# Altium PCB PCB1.PcbDoc (continued)
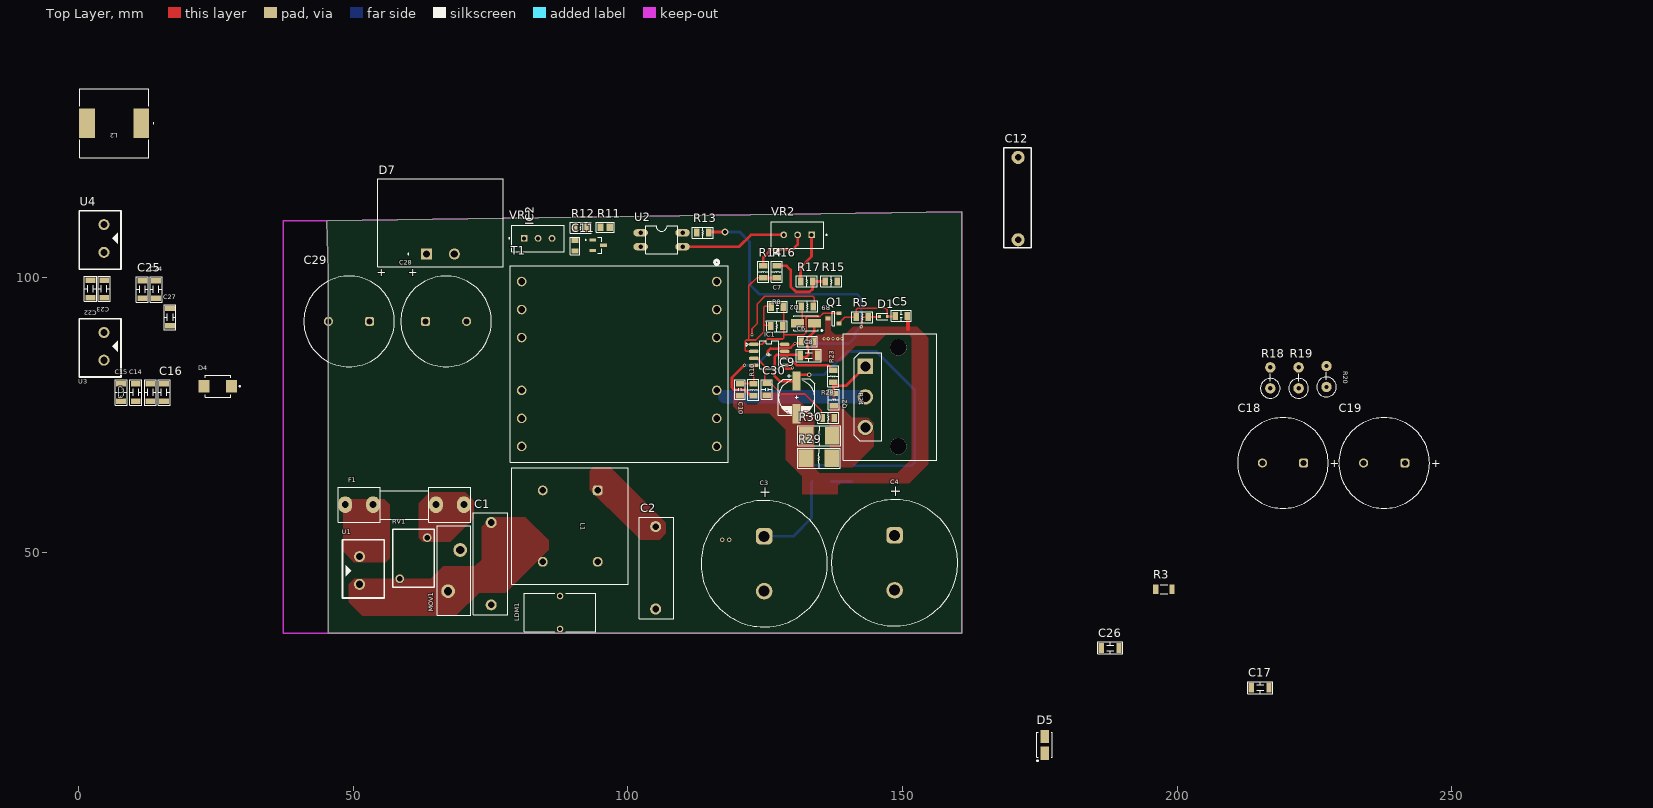
[diagram p0: Top Layer view]
## Part data (continued)
D1: library part "Diode 30V 1A", "Diode 30 V 1A Surface Mount SOD-523", Average Rectified Current=1A, Forward Voltage=680mV, Manufacturer 1=Nexperia, Max Forward Surge Current (Ifsm)=5A, Max Operating Temperature=150°C, Max Repetitive Reverse Voltage (Vrrm)=30V, Max Reverse Current=500uA, Max Surge Current=3A, Min Operating Temperature=-65°C, Supplier Part Number 1=1727-5834-1-ND, Category 1="Rectifier Diodes", ComponentLink1Description=https://datasheet.octopart.com/BZX585-C9V1%2C135-Nexperia-datasheet-81456219.pdf?src-supplier=Future+Electronics, ComponentLink1URL=https://datasheet.octopart.com/BZX585-C9V1%2C135-Nexperia-datasheet-81456219.pdf?src-supplier=Future+Electronics, ComponentLink2Description=https://assets.nexperia.com/documents/packing/SOD523_115.pdf?src-supplier=Digikey, ComponentLink2URL=https://assets.nexperia.com/documents/packing/SOD523_115.pdf?src-supplier=Digikey, ComponentLink3Description=https://datasheet.octopart.com/PMEG3010EB%2C115-Nexperia-datasheet-12552804.pdf?src-supplier=Farnell, ComponentLink3URL=https://datasheet.octopart.com/PMEG3010EB%2C115-Nexperia-datasheet-12552804.pdf?src-supplier=Farnell, Description 1="Rectifier Diode, Schottky, 1 Phase, 1 Element, 1A, Silicon", Element Configuration=5460ElementConfiguration, Forward Current=1A, Lead Free=5697LeadFree, Manufacturer Part Number 1=PMEG3010EB,115, Max Reverse Leakage Current=500uA, Max Reverse Voltage (DC)=30V, Mount=8Mount, Number of Pins=2NUMBER, Peak Non-Repetitive Surge Current=5A, Pricing 1="1=0,46, 10=0,326, 100=0,1644, 500=0,14572, 1000=0,11341, 3000=0,1015, 6000=0,09923, 9000=0,08789, 30000=0,08676, 75000=0,07371 (USD)", Radiation Hardening=5898YesNo, Reach SVHC Compliant=4186SVHC, RoHS 1=Yes, RoHS Compliant=Yes, Stock 1=7761, Supplier 1=Digikey
D2: library part RS1M, "Rectifiers 1000V 1a Fast Rect SMa", Forward Current="1 A", Forward Voltage="1.3 V", LCSC Part #=N/A, Manufacturer=onsemi, Max Surge Current="30 A", Operating Temperature Max="+ 85 C", Operating Temperature Min="- 40 C", Package / Case=DO-214AC, Peak Reverse Voltage="1 kV", Power Dissipation="1.19 W", Reverse Current="5 uA", Supplier 1 Part Number=512-RS1M, Supplier 2 Part Number=RS1MFSTR-ND, Supplier 3 Part Number="FR107 RS1M", ComponentLink1Description=Datasheet, ComponentLink1URL=https://www.mouser.vn/datasheet/2/308/1/RS1M_D-2320127.pdf, Manufacturer Part Number=RS1M, Maximum Diode Capacitance=N/A, Mount=SMD/SMT, Packaging="Tape and Reel", Recovery Time="500 ns", Supplier 1=Mouser, Supplier 1 URL=https://www.mouser.vn/ProductDetail/onsemi-Fairchild/RS1M?qs=e%2FRqmsgwm9icSRWI%2F467wA%3D%3D, Supplier 2=Digi-Key, Supplier 2 URL=https://www.digikey.com/en/products/detail/onsemi/rs1m/1048919, Supplier 3=thegioiic, Supplier 3 URL=https://www.thegioiic.com/fr107-rs1m-sma-diode-chinh-luu-1a-1kv, Type=Rectifiers
D3 D4 D6: library part "DIODE 1000V 3A", "DIODE GEN PURP 1KV 3A SMB", Capacitance=40pF, Forward Current=3A, Manufacturer="Diodes Inc.", Max Junction Temp=+150°C, Max Repetitive Reverse Voltage=1000V, Max Surge Forward Current=100A, Package=SMB, Peak Reverse Current=10uA, Supplier Part Number 1=S3MB-FDICT-ND, Temperature="-65°C to +150°C", Temperature Range Low=-65°C, Automotive=No, Category=Diode, ComponentLink2Description=Datasheet, ComponentLink2URL=https://www.diodes.com/assets/Datasheets/ds16005.pdf, Device Class L1="Discrete Semiconductors", Device Class L2=Diodes, Device Class L3="Rectifier Diodes", Digikey Description="DIODE GEN PURP 1KV 3A SMB", Footprint Url=https://www.diodes.com/assets/Package-Files/SMB.pdf, Height=2.5mm, Lead Free=Yes, Manufacturer Part Number=S3MB-13-F, Mouser Description="Rectifiers 1000V 3A", Octopart=https://octopart.com/s3mb-13-f-diodes+inc.-333387, Reverse Voltage=1000V, RoHS=TRUE, Standoff Height=0.05mm, Supplier 1=Digikey, Temperature Range High=+150°C
D5: "9.2V Clamp 43.5A Ipp Tvs Diode Surface Mount DO-214AC (SMA)", Breakdown Voltage=6.4V, Case/Package=DO-214AC, Clamping Voltage=9.2V, Leakage Current=800uA, Manufacturer 1=Littelfuse, Max Breakdown Voltage=7V, Max Operating Temperature=150°C, Max Power Dissipation=3.3W, Max Surge Current=43.5A, Min Operating Temperature=-65°C, Operating Supply Voltage=5V, Package Quantity=5000, Peak Pulse Power=400W, Power Line Protection=No, Supplier Part Number 1=SMAJ5.0ALFCT-ND, Test Current=10mA, Category 1="TVS Diodes", Clamping Voltage-Max=9.2V, ComponentLink1Description=https://datasheet.ciiva.com/25624/0900766b810f4edb-25624839.pdf?src-supplier=Rs, ComponentLink1URL=https://datasheet.ciiva.com/25624/0900766b810f4edb-25624839.pdf?src-supplier=Rs, ComponentLink2Description=https://datasheet.ciiva.com/8062/littelfuse-tvs-diode-smaj-8062271.pdf?src-supplier=Element14, ComponentLink2URL=https://datasheet.ciiva.com/8062/littelfuse-tvs-diode-smaj-8062271.pdf?src-supplier=Element14, ComponentLink3Description=https://datasheet.ciiva.com/28473/607617-28473433.pdf?src-supplier=Element14, ComponentLink3URL=https://datasheet.ciiva.com/28473/607617-28473433.pdf?src-supplier=Element14, ComponentLink4Description=https://datasheet.ciiva.com/4507/littelfuse-tvs-diode-smaj-23503-4507964.pdf?src-supplier=Mouser, ComponentLink4URL=https://datasheet.ciiva.com/4507/littelfuse-tvs-diode-smaj-23503-4507964.pdf?src-supplier=Mouser, ComponentLink5Description=https://datasheet.ciiva.com/16380/littelfuse-tvs-diode-smaj-16380982.pdf?src-supplier=Future+Electronics, ComponentLink5URL=https://datasheet.ciiva.com/16380/littelfuse-tvs-diode-smaj-16380982.pdf?src-supplier=Future+Electronics, Description 1="SMAJ Series 9.2 V 400 W Surface Mount Uni-Directional TVS Diode - DO-214AC", Diode Type=ZENER, Direction=Unidirectional, Height=2.087mm, Length=4.5mm, Manufacturer Part Number 1=SMAJ5.0A, Max Reverse Leakage Current=800uA, Min Breakdown Voltage=6.4V, Mount="Surface Mount", Number of Channels=1, Number of Elements=1, Number of Pins=2, Number of Unidirectional Channels=1, Packaging="Tape and Reel", Peak Pulse Current=43.5A, Polarity=Unidirectional, Power Dissipation=400W, Pricing 1="1=0,39, 10=0,277, 100=0,1399, 500=0,124, 1000=0,09649, 2000=0,08636, 5000=0,08443, 10000=0,07478, 25000=0,07382, 50000=0,06272, 125000=0,06031 (USD)", Reach SVHC Compliant=No, Reverse Breakdown Voltage=6.4V, Reverse Standoff Voltage=5V, RoHS 1=Yes, RoHS Compliant=Yes, Series=SMAJ, Stock 1=104022, Supplier 1=Digikey, Termination=SMD/SMT, Width=2.79mm
D8: library part SMAJ24CA, "38.9V Clamp 10.3A Ipp Tvs Diode Surface Mount DO-214AC (SMA)", Case/Package=DO-214AC, Clamping Voltage=38.9V, Leakage Current=1uA, Manufacturer 1=Littelfuse, Max Breakdown Voltage=29.5V, Max Operating Temperature=150°C, Max Power Dissipation=3.3W, Min Breakdown Voltage=26.7V, Min Operating Temperature=-65°C, Peak Pulse Current=10.3A, Peak Pulse Power=400W, Power Line Protection=No, Reverse Standoff Voltage=24V, Supplier Part Number 1=SMAJ24CALFCT-ND, Test Current=1mA, Category 1="TVS Diodes", Clamping Voltage-Max=38.9V, ComponentLink1Description=https://datasheet.ciiva.com/28473/607617-28473406.pdf?src-supplier=Element14, ComponentLink1URL=https://datasheet.ciiva.com/28473/607617-28473406.pdf?src-supplier=Element14, ComponentLink2Description=https://datasheet.ciiva.com/331/littelfuse-tvs-diode-smaj-datasheet-pdf-331049.pdf?src-supplier=Digikey, ComponentLink2URL=https://datasheet.ciiva.com/331/littelfuse-tvs-diode-smaj-datasheet-pdf-331049.pdf?src-supplier=Digikey, ComponentLink3Description=https://datasheet.ciiva.com/331/littelfuse-tvs-diode-smaj-datasheet-pdf-331050.pdf?src-supplier=Digikey, ComponentLink3URL=https://datasheet.ciiva.com/331/littelfuse-tvs-diode-smaj-datasheet-pdf-331050.pdf?src-supplier=Digikey, ComponentLink4Description=https://datasheet.ciiva.com/331/littelfuse-tvs-diode-smaj-datasheet-pdf-331048.pdf?src-supplier=Digikey, ComponentLink4URL=https://datasheet.ciiva.com/331/littelfuse-tvs-diode-smaj-datasheet-pdf-331048.pdf?src-supplier=Digikey, Description 1="SMAJ Series 38.9 V 0.4 kW Surface Mount Bi-Directional TVS Diode - DO-214AC", Diode Type=ZENER, Direction=Bidirectional, Height=2.29mm, Lead Free="Lead Free", Length=5.28mm, Manufacturer Part Number 1=SMAJ24CA, Max Reverse Leakage Current=1uA, Mount="Surface Mount", Number of Bidirectional Channels=1, Number of Elements=1, Number of Pins=2, Packaging="Tape and Reel", Polarity=Bidirectional, Power Dissipation=400W, Pricing 1="1=0,4, 10=0,287, 100=0,1449, 500=0,12844, 1000=0,09996, 2000=0,08947 (USD)", Reach SVHC Compliant=No, Reverse Breakdown Voltage=26.7V, Reverse Voltage=24V, RoHS 1=Yes, RoHS Compliant=Yes, Series=SMAJ, Stock 1=100645, Supplier 1=Digikey, Voltage Rating (DC)=24V, Width=2.79mm
F1: "2 A 250 V AC 125 V DC Fuse Board Mount (Cartridge Style)", Manufacturer=Littelfuse, Manufacturer Part Number=0505025.MXP, Category=Fuses, ComponentLink1Description=https://datasheet.ciiva.com/26890/getdatasheetpartid-706019-26890404.pdf?src-supplier=Verical, ComponentLink1URL=https://datasheet.ciiva.com/26890/getdatasheetpartid-706019-26890404.pdf?src-supplier=Verical, ComponentLink2Description=https://datasheet.ciiva.com/29618/littelfuse-fuse-505-datasheet-pdf-29618152.pdf?src-supplier=Digi-Key, ComponentLink2URL=https://datasheet.ciiva.com/29618/littelfuse-fuse-505-datasheet-pdf-29618152.pdf?src-supplier=Digi-Key, ComponentLink3Description=https://datasheet.ciiva.com/300/littelfuse-fuse-505-300507.pdf?src-supplier=Digi-Key, ComponentLink3URL=https://datasheet.ciiva.com/300/littelfuse-fuse-505-300507.pdf?src-supplier=Digi-Key, ComponentLink4Description=https://datasheet.ciiva.com/7314/697468-7314411.pdf?src-supplier=Newark, ComponentLink4URL=https://datasheet.ciiva.com/7314/697468-7314411.pdf?src-supplier=Newark, Pricing 1="1=5.43, 5=5.244, 10=5.057, 50=3.9336, 100=3.278, 250=3.18436, 500=2.71606, 1000=2.57558 (USD)", RoHS=Yes, Stock 1=3122
IC1: "UC3843 Switching IC 8.4V 500kHz", Supplier Part Number 1=296-27152-1-ND, Supplier 1=Digikey
L1: library part 7448640399, "WE-FC THT Common Mode Power Line Choke, ET20H, 5.9mH, 1.15A, 0.28Ω", Case/Size Code=ET20H, DC Resistance=0.28Ω, Inductance=5.9mH, Insulation Test Voltage (AC)=2000V, Manufacturer="Wurth Elektronik", Operating Temperature Max=125°C, Operating Temperature Min=-40°C, Rated Current=1.15A, Rated Voltage (AC)=250V, Category="Common Mode Chokes", ComponentLink1Description="Website Link", ComponentLink1URL=https://www.we-online.com/redexpert/article/7448640399?ad, ComponentLink2Description="Datasheet Link", ComponentLink2URL=https://www.we-online.com/redexpert/spec/7448640399?ad, Height=17.8mm, Length=21.3mm, Manufacturer Part Number=7448640399, Match Code=WE-FC, Material=MnZn, Mount="Through Hole", Packaging=Tray, Width=21.3mm
L2 L3: library part CDRH127/LDNP-470MC, "47 ÂµH Shielded - Inductor 3.25 A 78mOhm Max Nonstandard", Package="Nonstandard Sumida", Availability="In Stock", Check_prices=https://www.snapeda.com/parts/CDRH127/LDNP-470MC/Sumida+America+Components+Inc./view-part/?ref=eda, MF="Sumida America", MP=CDRH127/LDNP-470MC, Price=None, Purchase-URL=https://pricing.snapeda.com/search/part/CDRH127/LDNP-470MC/?ref=eda, SnapEDA_Link=https://www.snapeda.com/parts/CDRH127/LDNP-470MC/Sumida+America+Components+Inc./view-part/?ref=snap
LDM1: "Filters 25uH 2A DCR=42mOhms", Supplier Part Number 1=399-20548-ND, ComponentLink1Description=https://www.allegromicro.com/~/media/Files/Datasheets/ACS72981-Datasheet.ashx?src-supplier=Digi-Key, ComponentLink1URL=https://www.allegromicro.com/~/media/Files/Datasheets/ACS72981-Datasheet.ashx?src-supplier=Digi-Key, Supplier 1=Digikey
MOV1: "750 V 4.5 kA Varistor 1 Circuit Through Hole Disc 14mm", Capacitance=270pF, Case/Package=Radial, Clamping Current=50A, Clamping Voltage=1.24kV, Manufacturer 1=Bourns, Max Operating Temperature=85°C, Max Surge Current=4.5kA, Max Varistor Voltage=825V, Max Voltage Rating (AC)=460V, Max Voltage Rating (DC)=615V, Min Operating Temperature=-40°C, Min Varistor Voltage=675V, Package Quantity=500, Supplier Part Number 1=118-MOV-14D751K-ND, Tolerance=10%, Varistor Voltage=750V, Category 1=Varistors, ComponentLink1Description=https://media.digikey.com/pdf/Data%20Sheets/Bourns%20PDFs/GMOV_Series_DS.pdf?src-supplier=Digi-Key, ComponentLink1URL=https://media.digikey.com/pdf/Data%20Sheets/Bourns%20PDFs/GMOV_Series_DS.pdf?src-supplier=Digi-Key, ComponentLink2Description=https://datasheet.ciiva.com/3026/mov14d-3026373.pdf?src-supplier=Avnet, ComponentLink2URL=https://datasheet.ciiva.com/3026/mov14d-3026373.pdf?src-supplier=Avnet, ComponentLink3Description=https://datasheet.ciiva.com/369/mov14d-369435.pdf?src-supplier=Digikey, ComponentLink3URL=https://datasheet.ciiva.com/369/mov14d-369435.pdf?src-supplier=Digikey, Current Rating=50A, Description 1="Var MOV 460VAC/615VDC 4500A 750V Radial Bulk", Diameter=14mm, Energy=143J, Lead Pitch=7.5mm, Manufacturer Part Number 1=MOV-14D751K, Mount="Radial,Through Hole", Number of Circuits=1, Packaging=Bulk, Pricing 1="1=0,53, 10=0,458, 400=0,31723, 1200=0,20742, 5200=0,17691, 10000=0,16471 (USD)", Radiation Hardening=No, RoHS 1=Yes, RoHS Compliant=Yes, Series=-, Stock 1=4415, Supplier 1=Digikey, Voltage Rating (DC)=750V, Weight=0.105822oz
Q1: library part "BJT PNP 40V", "Trans GP BJT PNP 40V 0.2A 300mW Automotive 3-Pin SOT-23 T/R", Manufacturer 1="ON Semiconductor", Manufacturer Part Number 1=SMMBT3906LT1G, Supplier Part Number 1=SMMBT3906LT1GOSCT-ND, Category 1=BJTs, ComponentLink1Description=https://datasheet.ciiva.com/980/mmbt3906lt1-d-980808.pdf?src-supplier=Digikey, ComponentLink1URL=https://datasheet.ciiva.com/980/mmbt3906lt1-d-980808.pdf?src-supplier=Digikey, ComponentLink2Description=https://datasheet.ciiva.com/16285/mmbt3906lt1-d-16285303.pdf?src-supplier=Mouser, ComponentLink2URL=https://datasheet.ciiva.com/16285/mmbt3906lt1-d-16285303.pdf?src-supplier=Mouser, ComponentLink3Description=https://datasheet.ciiva.com/11204/mmbt3906lt1-d-11204922.pdf?src-supplier=Avnet, ComponentLink3URL=https://datasheet.ciiva.com/11204/mmbt3906lt1-d-11204922.pdf?src-supplier=Avnet, Description 1="Trans GP BJT PNP 40V 0.2A 300mW Automotive 3-Pin SOT-23 T/R", Lead Free=5697LeadFree, Pricing 1="1=0,17, 10=0,124, 100=0,0667, 500=0,05236, 1000=0,03636, 3000=0,03012, 6000=0,02848, 9000=0,02424, 30000=0,02242, 75000=0,01939, 150000=0,01612 (USD)", RoHS 1=Yes, Stock 1=92580, Supplier 1=Digikey
Q2: "MOSFET N-CH 800V 8A TO247AC", Arrow Part Number=NVHL160N120SC1, Manufacturer_Name=onsemi, Mouser Part Number=863-NVHL160N120SC1, Supplier Part Number 1=742-SIHG11N80AE-GE3-ND, Arrow Price/Stock=https://www.arrow.com/en/products/nvhl160n120sc1/on-semiconductor, Datasheet Link=https://www.onsemi.com/pdf/datasheet/nvhl160n120sc1-d.pdf, Height=4.82mm, Manufacturer_Part_Number=NVHL160N120SC1, Mouser Price/Stock=https://www.mouser.co.uk/ProductDetail/ON-Semiconductor/NVHL160N120SC1?qs=GedFDFLaBXGyNe%2F0JxjRIw%3D%3D, Supplier 1=Digikey
R1 R2 R3 R4 R6 R7: library part RC1206JR-0713RL, "13 Ohms Â±5% 0.25W, 1/4W Chip Resistor 1206 (3216 Metric) Moisture Resistant Thick Film", Package="3116 Yageo", Availability="In Stock", Check_prices=https://www.snapeda.com/parts/RC1206JR-0713RL/Yageo/view-part/?ref=eda, MF=Yageo, MP=RC1206JR-0713RL, Price=None, Purchase-URL=https://pricing.snapeda.com/search/part/RC1206JR-0713RL/?ref=eda, SnapEDA_Link=https://www.snapeda.com/parts/RC1206JR-0713RL/Yageo/view-part/?ref=snap
R5: library part RES_0805_33k, "33 kOhms ±1% 0.125W, 1/8W Chip Resistor 0805 (2012 Metric) Moisture Resistant Thick Film", Manufacturer 1=Yageo, Manufacturer Part Number 1=AC0805FR-0733RL, Supplier Part Number 1=1593995, Category 1="Chip SMD Resistors", ComponentLink1Description=http://www.mouser.com/ds/2/447/yageodocoutput-1111992.pdf?src-supplier=Mouser, ComponentLink1URL=http://www.mouser.com/ds/2/447/yageodocoutput-1111992.pdf?src-supplier=Mouser, ComponentLink2Description=http://www.yageo.com/NewPortal/yageodocoutput?fileName=/pdf/R-Chip/PYu-AC_51_RoHS_L_6.pdf&src-supplier=Digi-Key, ComponentLink2URL=http://www.yageo.com/NewPortal/yageodocoutput?fileName=/pdf/R-Chip/PYu-AC_51_RoHS_L_6.pdf&src-supplier=Digi-Key, ComponentLink3Description=https://www.yageo.com/upload/media/product/productsearch/datasheet/rchip/PYu-AC_51_RoHS_L_7.pdf?src-supplier=Digi-Key, ComponentLink3URL=https://www.yageo.com/upload/media/product/productsearch/datasheet/rchip/PYu-AC_51_RoHS_L_7.pdf?src-supplier=Digi-Key, ComponentLink4Description=http://www.yageo.com/NewPortal/yageodocoutput?fileName=/pdf/R-Chip/PYu-AC_51_RoHS_L_5.pdf&src-supplier=Digi-Key, ComponentLink4URL=http://www.yageo.com/NewPortal/yageodocoutput?fileName=/pdf/R-Chip/PYu-AC_51_RoHS_L_5.pdf&src-supplier=Digi-Key, ComponentLink5Description=https://datasheet.octopart.com/AC0805FR-0733RL-Yageo-datasheet-151884373.pdf?src-supplier=Future+Electronics, ComponentLink5URL=https://datasheet.octopart.com/AC0805FR-0733RL-Yageo-datasheet-151884373.pdf?src-supplier=Future+Electronics, Description 1="SMD Chip Resistor, 33 Ohm, ± 1%, 125 mW, 0805 [2012 Metric], Thick Film, General Purpose", Pricing 1="1=0,1, 10=0,029, 50=0,0188, 100=0,0158, 500=0,01096, 1000=0,00948 (USD)", RoHS 1=Yes, Stock 1=24620, Supplier 1="Future Electronics"
R8 R14 R15 R16 R17 R21 R22 R24 R25 R26 R27: library part RES_0805_10k, "10 kOhms ±1% 0.125W, 1/8W Chip Resistor 0805 (2012 Metric) Moisture Resistant Thick Film", Supplier Part Number 1=13-RC0805FR-1310KLDKR-ND, Supplier 1=Digi-Key
R9 R23: library part RES_0805_22R, "22 Ohms ±1% 0.125W, 1/8W Chip Resistor 0805 (2012 Metric) Automotive AEC-Q200, Moisture Resistant Thick Film", Manufacturer 1=Yageo, Manufacturer Part Number 1=AC0805FR-0733RL, Supplier Part Number 1=13-RC0805FR-0722RPCT-ND, Category 1="Chip SMD Resistors", ComponentLink1Description=http://www.mouser.com/ds/2/447/yageodocoutput-1111992.pdf?src-supplier=Mouser, ComponentLink1URL=http://www.mouser.com/ds/2/447/yageodocoutput-1111992.pdf?src-supplier=Mouser, ComponentLink2Description=http://www.yageo.com/NewPortal/yageodocoutput?fileName=/pdf/R-Chip/PYu-AC_51_RoHS_L_6.pdf&src-supplier=Digi-Key, ComponentLink2URL=http://www.yageo.com/NewPortal/yageodocoutput?fileName=/pdf/R-Chip/PYu-AC_51_RoHS_L_6.pdf&src-supplier=Digi-Key, ComponentLink3Description=https://www.yageo.com/upload/media/product/productsearch/datasheet/rchip/PYu-AC_51_RoHS_L_7.pdf?src-supplier=Digi-Key, ComponentLink3URL=https://www.yageo.com/upload/media/product/productsearch/datasheet/rchip/PYu-AC_51_RoHS_L_7.pdf?src-supplier=Digi-Key, ComponentLink4Description=http://www.yageo.com/NewPortal/yageodocoutput?fileName=/pdf/R-Chip/PYu-AC_51_RoHS_L_5.pdf&src-supplier=Digi-Key, ComponentLink4URL=http://www.yageo.com/NewPortal/yageodocoutput?fileName=/pdf/R-Chip/PYu-AC_51_RoHS_L_5.pdf&src-supplier=Digi-Key, ComponentLink5Description=https://datasheet.octopart.com/AC0805FR-0733RL-Yageo-datasheet-151884373.pdf?src-supplier=Future+Electronics, ComponentLink5URL=https://datasheet.octopart.com/AC0805FR-0733RL-Yageo-datasheet-151884373.pdf?src-supplier=Future+Electronics, Description 1="SMD Chip Resistor, 33 Ohm, ± 1%, 125 mW, 0805 [2012 Metric], Thick Film, General Purpose", Pricing 1="1=0,1, 10=0,029, 50=0,0188, 100=0,0158, 500=0,01096, 1000=0,00948 (USD)", RoHS 1=Yes, Stock 1=24620, Supplier 1=Digikey
R10: library part RES_0805_12k, "12 kOhms ±1% 0.125W, 1/8W Chip Resistor 0805 (2012 Metric) Moisture Resistant Thick Film", Supplier Part Number 1=13-RC0805FR-1312KLCT-ND, Supplier 1=Digikey
R11: library part 00080545311, "RES, size 0805, 4.53 KOhm, 1/8W", Manufacture  Name=N/A, Rated Power="1/8 W", Resistance="4.53 KOhm", Resistance Tolerance=+/-1%, ComponentLink1Description="Datasheet link", ComponentLink1URL=N/A, ComponentLink2Description="Supplier 1 URL", ComponentLink2URL=https://www.mouser.vn/ProductDetail/Bourns/CR0805-FX-4532ELF?qs=sGAEpiMZZMtG0KNrPCHnjfC2zYK6Lg3%2F1%2Fel6VE8vT0%3D, ComponentLink3Description="Supplier 2 URL", ComponentLink3URL=https://www.digikey.com/en/products/detail/yageo/RC0805FR-0745K3L/727965, ComponentLink4Description="Supplier 3 URL", ComponentLink4URL=N/A, Manufacture  SN=N/A, Mounting Technology=SMT, Size=0805, Supplier 1 Name=Mouser, Supplier 1 SN=652-CR0805FX-4532ELF, Supplier 1 URL=https://www.mouser.vn/ProductDetail/Bourns/CR0805-FX-4532ELF?qs=sGAEpiMZZMtG0KNrPCHnjfC2zYK6Lg3%2F1%2Fel6VE8vT0%3D, Supplier 2 Name=Digi-Key, Supplier 2 SN=311-45.3KCRDKR-ND, Supplier 2 URL=https://www.digikey.com/en/products/detail/yageo/RC0805FR-0745K3L/727965, Supplier 3 Name=Thegioiic, Supplier 3 SN=N/A, Supplier 3 URL=N/A
R12 R13: library part RES_0805_100k, "100 kOhms ±1% 0.250W, 1/4W Chip Resistor 0805", Supplier Part Number 1=2019-RK73B2ATTD104JCT-ND, Supplier 1=Digikey
R18 R19 R20: Manufacturer="Generic Components", Class=Passive, Published=08/06/2000, Publisher="Altium Hobart Technology Centre", SubClass=R
R28: library part RES_0805_470, "470 Ohms ±1% 0.125W, 1/8W Chip Resistor 0805 (2012 Metric) Moisture Resistant Thick Film", Supplier Part Number 1=13-RC0805FR-07470RPCT-ND, Supplier 1=Digikey
R29 R30: "2.2R 2512 1W 5%"
R31: "0 Ohms ±5% 1W, Moisture Resistant Thick Film", Manufacturer_Name=Bourns, Manufacturer_Part_Number=CR1206-F/-2R00ELF, Mouser Part Number=652-CR1206-F/2R00ELF, Supplier Part Number 1=541-4322-1-ND, Height=0.75mm, Mouser Price/Stock=https://www.mouser.co.uk/ProductDetail/Bourns/CR1206-F-2R00ELF?qs=W%2FMpXkg%252BdQ47Z%2FeZv1nDSg%3D%3D, Supplier 1=Digikey
RV1: "NTC Thermistor 20Ohms DIP 1A 25DegC  20R 9MM", Package=None, Check_prices=https://www.snapeda.com/parts/B72214S2271K101/EPCOS/view-part/?ref=eda, Digi-Key_Part_Number=495-1441-ND, MF=EPCOS, MP=B72214S2271K101, Purchase-URL=https://pricing.snapeda.com/search/part/B72214S2271K101/?ref=eda, SnapEDA_Link=https://www.snapeda.com/parts/B72214S2271K101/EPCOS/view-part/?ref=snap
T1: "Main Tranformer with 2 output line"
U1 U3 U4: "Header Power 2 pins Type: KF301, 2 pins, 200mil (5.08mm) pitch"
VR1 VR2: "25 Ohms 0.5W, 1/2W PC Pins Through Hole Trimmer Potentiometer Cermet 25.0 Turn Top Adjustment", Package="NON STANDARD-3 Bourns", Availability="In Stock", Check_prices=https://www.snapeda.com/parts/3296W-1-250/Bourns/view-part/?ref=eda, MF=Bourns, MP=3296W-1-250, Price=None, Purchase-URL=https://pricing.snapeda.com/search/part/3296W-1-250/?ref=eda, SnapEDA_Link=https://www.snapeda.com/parts/3296W-1-250/Bourns/view-part/?ref=snap

## Via types
v1: diameter 0.6, hole 0.3, Top Layer to Bottom Layer, 11 vias
v2: diameter 0.8, hole 0.4, Top Layer to Bottom Layer, 2 vias
v3: diameter 1.27, hole 0.711, Top Layer to Bottom Layer, 1 vias
v4: diameter 0.9, hole 0.5, Top Layer to Bottom Layer, 1 vias

## Nets (pads, with @x,y where several pads share a name; then routed paths per layer and width w, separated by ;. In a path a pad name is that pad's centre, name@x,y a point inside that pad or via, vN(x,y) a via of type N, cw(c..) or ccw(c..) an arc to the next point about the centre after c; other vN are vias at no path point)
AC_L1: F1.1 U1.1
AC_L2: C1.1 LDM1.1 MOV1.1 RV1.2
AC_L3: BR1.~2 BR2.~2 C2.1 L1.4
AC_N1: C1.2 L1.2 MOV1.2 U1.2
AC_N2: BR1.~1 BR2.~1 C2.2 L1.3
COMP: C7.1 IC1.1 Q1.E R8.2 | length 25.5
  Top Layer w0.3: IC1.1@122.388,87.894 124.47,87.894 125.437,88.861 128.221,88.861 128.397,89.037 128.397,89.611 ; C7.1@128.397,94.796 128.397,91.213 128.397,89.611 ; Q1.E@138.374,93.561 135.598,93.561 135.001,92.964 132.637,92.964 132.461,92.788 132.461,90.041 132.031,89.611 128.397,89.611
GND: BR1.- BR2.- C3.2 C4.2 C5.2 C6.1 C8.2 C9.2 C10.2 C20.2 C21.2 C30.2 C31.1 IC1.5 Q1.C R3.1 R17.1 R25.1 R29.1 R30.1 T1.6 VR2.1 | length 13.1
  Top Layer w0.4: 128.556,83.46 129.794,83.46 129.945,83.611 v1(129.999,83.611)
  Top Layer w0.5: R17.1 131.445,99.384 131.445,101.854 133.477,103.886 VR2.1
  Top Layer w0.7: 151.003,90.658 C5.2@151.003,92.905
  other v1: 135.749,88.904 136.499,88.904 137.374,88.904 138.249,88.904 138.999,88.904
  other v2: 117.221,52.324 118.491,52.324
GND_5V: C13.2 C14.2 C15.2 C16.2 C17.2 C18.2 C19.2 D5.1 R21.1 R22.1 R31.2 T1.12 U3.1
GND_24V: C22.2 C23.2 C24.2 C25.2 C26.2 C27.2 C28.2 C29.2 C32.2 D8.A IC2.3 R26.1 R27.1 R31.1 T1.9 U4.1 VR1.1
ISENSE: C30.1 IC1.3 R28.1 | length 19.7
  Top Layer w0.3: IC1.3@122.956,85.344 123.516,85.344 124.964,83.896 124.964,80.783 126.077,80.783 127.999,78.861 132.249,78.861 135.249,75.861 135.249,74.411 R28.1@135.399,74.261
NetC5_1: C5.1 D1.A Q1.B R5.2 | length 13.2
  Top Layer w0.3: 138.674,92.018 139.505,92.849 R5.2 141.587,94.216 141.839,94.468 146.959,94.468 147.245,94.182 D1.A 148.597,92.971 C5.1
NetC11_1: C11.1 R12.1 VR1.3
NetC11_2: C11.2 IC2.1 U2.2
NetC12_1: C12.1 D3.K R18.2 R19.2 R20.2
NetC14_1: C14.1 C15.1 C17.1 D5.2 L2.1 U3.2
NetC22_1: C22.1 C23.1 C26.1 D8.K L3.1 U4.2
NetC31_2: C31.2 C32.1
NetD2_2: D2.2 R9.2 | length 3.5
  Top Layer w0.3: D2.2 131.124,91.738 131.749,92.363 R9.2@131.749,94.796
NetD3_A: D3.A Q2.D T1.4 | length 25.6
  Bottom Layer w2.5: 117.701,78.331 Q2.D
NetD4_A: D4.A T1.10
NetD6_A: D6.A T1.3
NetD7_2: D7.2 T1.7
NetF1_2: F1.2 RV1.1
NetIC2_2: IC2.2 VR1.2
NetL1_1: L1.1 LDM1.2
NetQ2_G: Q2.G R23.2 R24.2 | length 9.2
  Top Layer w0.5: R24.2@137.499,78.461 137.499,80.234 137.399,80.334 139.699,80.334 Q2.G
NetQ2_S: Q2.S R24.1 R28.2 R29.2 R30.2
NetR1_1: R1.1 R2.2
NetR2_1: R2.1 R3.2
NetR4_1: R4.1 R6.2 | length 3.4
  Bottom Layer w0.5: R4.1 R6.2
NetR6_1: R6.1 R7.1 | length 3.8
  Bottom Layer w0.5: R6.1 R7.1
NetR11_1: R11.1 U2.1
NetR13_1: R13.1 U2.4
NetU2_3: U2.3 VR2.3 | length 19.3
  Top Layer w0.5: U2.3 120.269,105.664 122.428,107.823 VR2.3
RT/CT: C10.1 IC1.4 R10.1 | length 5.8
  Top Layer w0.3: C10.1@120.249,80.761 120.25,80.762 122.649,80.762 122.956,81.069 IC1.4
VAUX: C20.1 C21.1 D6.K R9.1 R15.2 R25.2 | length 19
  Top Layer w0.3: v1(122.613,89.611) 122.613,90.719 123.571,91.677 123.571,95.25 124.968,96.647 133.731,96.647 133.949,96.429 R9.1@133.949,94.796 ; R9.1@133.687,94.473 R9.1@133.687,94.796
VCC: C8.1 C9.1 D2.1 IC1.7 R7.2 | length 72.6
  Top Layer w0.483: v4(133.049,82.361) 131.249,82.361 130.749,81.861 C9.1 130.749,81.145 127.749,81.145 126.749,82.145 126.749,85.611 127.117,85.979 127.712,85.979 127.721,85.989 129.391,85.989 129.4,85.979 131.11,85.979 131.56,85.529 131.56,85.509 132.406,85.509 132.588,85.691 132.604,85.691 132.896,85.984 132.896,86.934 132.773,87.058 132.773,88.798 132.896,88.922 132.896,89.158 132.989,89.251 132.989,89.262 133.18,89.453 133.191,89.453 133.986,90.248 D2.1 D2.1@133.986,91.767
  Bottom Layer w0.5: v4(133.049,82.361) 135.749,82.361 139.999,86.611 145.249,86.611 152.249,79.611 152.249,66.361 151.674,65.786 141.424,65.786 R7.2@141.249,65.961
VFB: C7.2 IC1.2 R8.1 R14.1 R16.1 | length 30.5
  Top Layer w0.3: IC1.2 121.588,86.624 121.412,86.8 121.412,88.499 121.588,88.675 122.047,88.675 ; R14.1@124.68,99.985 123.48,99.985 122.047,98.552 122.047,88.675 ; 124.841,91.377 124.841,91.498 ; R8.1 125.863,91.377 124.962,91.377 124.841,91.498 ; R8.1@126.027,91.277 126.063,91.277 R8.1@126.027,91.313 ; C7.2 126.09,94.806 124.962,94.806 124.786,94.63 124.786,91.553 ; 122.047,88.675 123.315,88.675 124.786,90.146 124.786,91.553 ; 124.786,91.553 124.841,91.498
  Top Layer w0.5: R14.1@124.68,99.985 R14.1 R16.1
VFB1: R14.2 VR2.2 | length 10.5
  Top Layer w0.5: R14.2 124.687,103.732 126.111,105.156 130.048,105.156 130.937,106.045 VR2.2
VFB2: R15.1 R16.2 R17.2 | length 14.1
  Top Layer w0.5: R16.2 128.909,102.192 129.667,101.434 129.667,98.425 130.683,97.409 133.096,97.409 133.688,98.001 R17.2 R15.1
VGATE: IC1.6 R23.1 | length 9.9
  Top Layer w0.457: IC1.6 129.176,85.354 129.332,85.197 129.687,85.197 130.81,84.074 136.525,84.074 136.878,83.721 136.878,83.471 137.149,83.2 R23.1
VIN: BR1.+ BR2.+ C3.1 C4.1 C12.2 R1.2 R4.2 R18.1 R19.1 R20.1 T1.1 | length 16.7
  Bottom Layer w0.5: C3.1 130.175,52.959 133.477,56.261 133.477,62.782 R4.2
VOUT_5V: C13.1 C16.1 C18.1 C19.1 D4.K L2.2 R21.2 R22.2
VOUT_24V: C24.1 C25.1 C27.1 C28.1 C29.1 D7.1 L3.2 R11.2 R12.2 R26.2 R27.2
VREF: C6.2 D1.K IC1.8 R5.1 R10.2 R13.2 | length 82.5
  Top Layer w0.3: v1(142.499,91.111) 142.499,91.192 142.599,91.292 142.599,92.661 142.775,92.837 R5.1@143.332,92.837
  Top Layer w0.381: R5.1 145.772,92.849 145.845,92.921 D1.K
  Top Layer w0.457: 126.01,87.122 127.572,87.122 127.718,87.268 129.656,87.268 v1@130.461,88.073
  Top Layer w0.5: R13.2 114.855,108.331 v3(117.729,108.331) ; v1(121.249,84.111) 118.964,81.826 118.964,80.033 119.386,79.611 121.35,79.611 122.399,78.562 R10.2@122.649,78.562 ; v1(125.476,86.106) 125.495,86.125 125.495,86.607 126.01,87.122 ; v1@130.461,88.073 131.57,88.073 C6.2@131.615,88.118
  Bottom Layer w0.5: v3(117.729,108.331) 120.396,108.331 122.174,106.553 122.174,98.806 123.952,97.028 141.732,97.028 142.499,96.261 v1(142.499,91.111) 141.386,89.998 141.386,89.148 140.292,88.054 v1(130.442,88.054) ; v1(121.249,84.111) 123.481,84.111 v1(125.476,86.106)
pads on no net: Q2.4 T1.2 T1.5 T1.8 T1.11

## Polygon pours and split planes (outlines as drawn)
VAUX on Bottom Layer "NONET_L01_P-001" (solid, remove dead copper, pour order 23): 121.412,91.059 122.174,90.297 122.174,89.408 122.682,88.9 123.19,88.392 124.079,87.503 127.381,87.503 127.635,87.757 127.635,92.71 127.381,92.964 120.396,92.964 120.396,91.44 120.777,91.059
GND on Bottom Layer "NONET_L01_P-001" (solid, shelved, pour order 15): 122.682,94.611 119.507,97.786 119.507,100.33 118.618,101.219 115.316,101.219 114.681,100.584 114.681,98.425 116.078,97.028 117.475,97.028 122.682,91.861 123.499,91.861 126.499,88.861 126.499,84.361 127.999,82.861 130.249,82.861 130.999,83.611 130.999,88.361 131.249,88.611 140.249,88.611 140.249,94.111 139.749,94.611
AC_L2 on Bottom Layer "NONET_L01_P-001" (solid, pour order 4): 58.495,47.322 61.745,47.322 66.245,51.822 76.995,51.822 89.245,39.572 89.245,38.822 87.749,37.326 76.72,37.326 68.724,45.322 64.745,45.322 61.495,42.072 58.495,42.072 57.245,43.322 57.245,46.072
NetL1_1 on Bottom Layer "NONET_L01_P-001" (solid, pour order 5): 82.455,63.786 83.947,65.278 85.09,65.278 89.705,60.663 89.705,44.62 88.646,43.561 87.249,43.561 85.955,44.855 85.955,53.873 82.455,57.373
NetD6_A on Bottom Layer "NONET_L01_P-001" (solid, pour order 16): 121.412,87.63 121.412,90.13 115.251,90.13 115.251,88.63 116.251,87.63
AC_L3 on Bottom Layer "NONET_L01_P-001" (solid, remove dead copper, pour order 19): 109.855,56.896 110.109,56.642 110.109,54.991 109.728,54.61 106.68,54.61 105.283,53.213 105.283,47.879 106.807,46.355 109.855,46.355 110.49,45.72 110.49,44.704 109.855,44.069 101.854,44.069 101.473,44.45 101.473,56.261 102.108,56.896
AC_N2 on Bottom Layer "NONET_L01_P-001" (solid, remove dead copper, pour order 20): 112.141,36.195 114.046,38.1 114.046,48.895 111.379,51.562 107.569,51.562 107.442,51.435 107.442,49.657 110.236,49.657 112.268,47.625 112.268,43.18 110.236,41.148 100.838,41.148 99.568,42.418 99.441,42.418 99.441,51.689 98.425,52.705 92.456,52.705 91.567,51.816 91.567,38.1 93.472,36.195
VIN on Bottom Layer "NONET_L01_P-001" (solid, remove dead copper, pour order 21): 116.459,55.118 116.586,54.991 120.65,54.991 121.031,54.61 121.031,47.117 120.65,46.736 116.84,46.736 116.332,46.228 116.332,44.577 116.586,44.323 122.047,44.323 127.127,49.403 127.127,54.356 126.492,54.991 123.698,54.991 121.92,56.769 116.713,56.769 116.459,56.515
GND on Bottom Layer "NONET_L01_P-001" (solid, remove dead copper, pour order 22): 116.586,49.943 116.776,49.752 118.935,49.752 119.253,50.07 119.253,52.927 118.999,53.181 116.84,53.181 116.586,52.927
GND on Top Layer "NONET_L01_P-001" (solid, pour order 13): 138.249,60.706 138.122,60.579 131.749,60.579 131.749,63.861 128.749,66.861 128.749,72.361 125.982,75.128 125.749,75.361 120.499,75.361 119.249,76.611 119.249,79.111 120.999,79.111 120.999,77.611 121.749,76.861 123.499,76.861 124.249,77.611 124.249,79.111 129.749,79.111 133.999,74.861 133.999,68.82 133.999,65.391 135.001,64.389 138.43,64.389 149.027,64.389 151.749,67.111 151.749,89.111 151.249,89.611 146.999,89.611 144.999,87.611 141.499,87.611 138.749,84.861 133.999,84.861 133.499,85.361 133.499,88.661 134.449,89.611 135.499,89.611 135.999,90.111 135.999,93.111 136.999,93.111 136.999,90.361 137.749,89.611 139.499,89.611 140.999,91.111 152.749,91.111 154.749,89.111 154.749,66.111 151.249,62.611 138.749,62.611 138.249,62.111
AC_L1 on Top Layer "NONET_L01_P-001" (solid, pour order 0): 48.185,50.211 48.185,58.961 48.935,59.711 55.685,59.711 56.685,58.711 56.685,48.961 55.975,48.251 50.145,48.251
AC_N1 on Top Layer "NONET_L01_P-001" (solid, pour order 1): 72.185,47.461 73.435,48.711 73.435,54.711 75.185,56.461 81.334,56.461 85.598,52.197 85.598,50.546 77.763,42.711 72.935,42.711 68.685,38.461 51.685,38.461 49.205,40.941 49.205,44.231 50.185,45.211 64.185,45.211 66.435,47.461
NetF1_2 on Top Layer "NONET_L01_P-001" (solid, pour order 2): 63.935,60.961 61.935,58.961 61.935,52.711 62.685,51.961 67.685,51.961 71.935,56.211 71.935,59.461 70.435,60.961
AC_L3 on Top Layer "NONET_L01_P-001" (solid, pour order 7): 99.822,54.737 99.949,54.737 102.362,52.324 105.791,52.324 106.934,53.467 106.934,55.375 96.799,65.51 93.751,65.51 93.116,64.875 93.116,61.443
no net on Top Layer "NONET_L01_P-001" (solid, pour order 14): 138.549,76.861 140.909,74.501 143.812,74.501 144.78,73.533 144.78,69.342 140.97,65.532 136.749,65.532 136.749,76.861

## Keep-outs
Keep-Out Layer:
  lines w0.254: 37.338,35.306 37.338,110.398 45.198,110.398 160.782,112.059 160.782,35.306 37.338,35.306

## Text inside footprints (layer, text, board x,y; h text height)
BR1: Bottom Overlay "~" at 107.323,46.459 h2 r270; Bottom Overlay "~" at 107.323,38.059 h2 r270; Bottom Overlay "-" at 118.327,38.459 h2 r270; Bottom Overlay "+" at 118.104,46.459 h2 r270
BR2: Bottom Overlay "~" at 107.295,56.913 h2 r270; Bottom Overlay "~" at 107.295,48.513 h2 r270; Bottom Overlay "-" at 118.299,48.913 h2 r270; Bottom Overlay "+" at 118.077,56.913 h2 r270
C3: Top Overlay "+" at 125.841,59.809 h2 r90
C4: Top Overlay "+" at 149.59,59.983 h2 r90
C18: Top Overlay "+" at 227.831,65.544 h1.5
C19: Top Overlay "+" at 246.26,65.544 h1.5
C28: Top Overlay "+" at 61.794,101.6 h1.5 r180
C29: Top Overlay "+" at 54.296,100.33 h1.5